# Altium PCB RK_NVR_DEMO1_RK3588_LP4XD200P232SD8_V21_20211228_final_lint.PcbDoc (part 21 of 29)
Units mm, origin at the board's own origin, x right, y up, seen from the top; angles counter-clockwise.
Board outline 170.08 x 169.98 mm, 8 copper layers (TOP, L2-GND1, L3-POWER1, L4-S1, L5-GND2, L6-S2, L7-GND3, BOTTOM), stack 2.118 mm thick; 1650 components, 1119 nets, 6165 pads, 15417 vias.
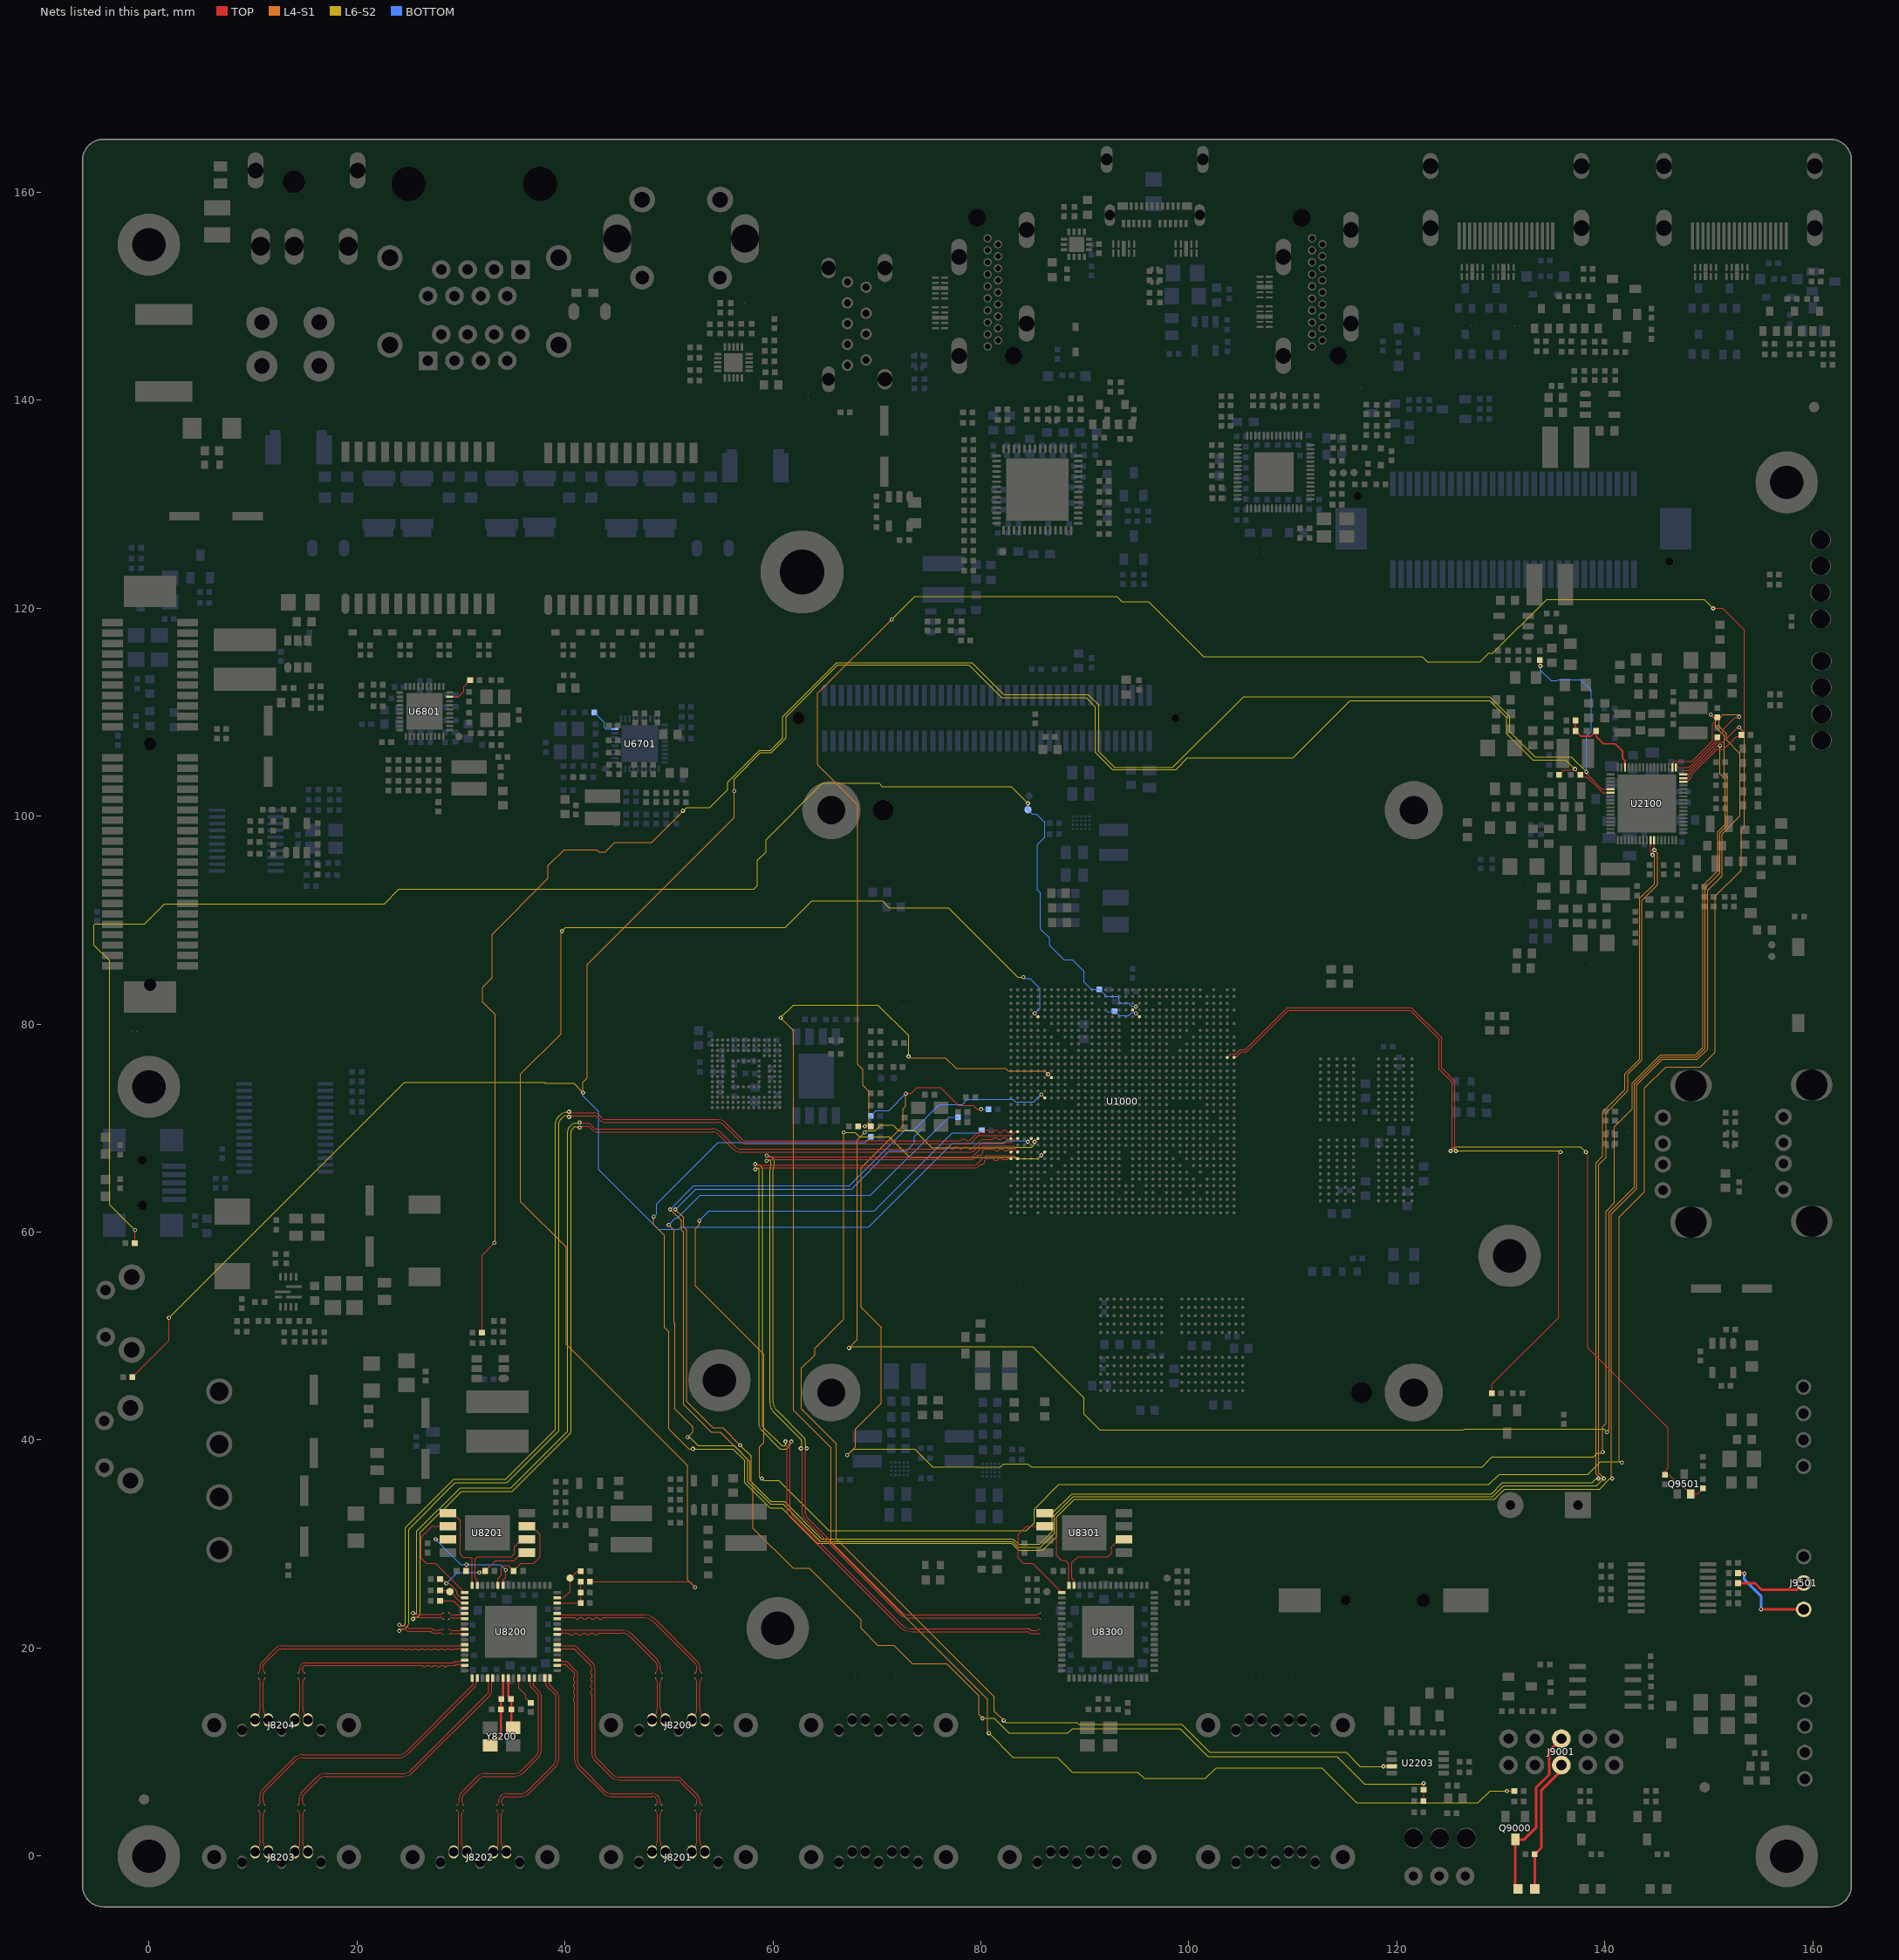
[diagram p27: the nets of this part, all layers, seen from the top]

## Via types
v1: diameter 0.4, hole 0.2, TOP to BOTTOM, 1688 vias
v2: diameter 0.4/0.4 (per signal layer), hole 0.2, TOP to L2-GND1, 1605 vias
v3: diameter 0/0/0/0/0/0/0/0.4 (per signal layer), hole 0.2, TOP to BOTTOM, 1253 vias
v4: diameter 0.4/0/0/0/0/0/0/0 (per signal layer), hole 0.2, TOP to BOTTOM, 1253 vias
v5: diameter 0.5, hole 0.3, TOP to BOTTOM, 857 vias
v6: diameter 0.4/0.4/0.4/0.4/0.4 (per signal layer), hole 0.2, L4-S1 to BOTTOM, 836 vias
v7: diameter 0/0/0/0/0/0/0/0.5 (per signal layer), hole 0.3, TOP to BOTTOM, 772 vias
v8: diameter 0.5/0/0/0/0/0/0/0 (per signal layer), hole 0.3, TOP to BOTTOM, 772 vias
v9: diameter 0.5/0.5 (per signal layer), hole 0.3, TOP to L2-GND1, 766 vias
v10: diameter 0.4/0.4 (per signal layer), hole 0.2, L7-GND3 to BOTTOM, 611 vias
v11: diameter 0.4/0.4/0.4/0.4 (per signal layer), hole 0.2, L5-GND2 to BOTTOM, 579 vias
v12: diameter 0.4 (per signal layer), hole 0.2, L6-S2 to L6-S2, 535 vias
v13: diameter 0.5/0.5/0.5/0.5/0.5 (per signal layer), hole 0.3, L4-S1 to BOTTOM, 457 vias
v14: diameter 0.5/0.5/0.5/0.5 (per signal layer), hole 0.3, L5-GND2 to BOTTOM, 455 vias
v15: diameter 0.4 (per signal layer), hole 0.2, L5-GND2 to L5-GND2, 418 vias
v16: diameter 0.5/0.5/0.5 (per signal layer), hole 0.3, TOP to L3-POWER1, 306 vias
v17: diameter 0.4 (per signal layer), hole 0.2, L4-S1 to L4-S1, 300 vias
v18: diameter 0.4/0.4/0.4 (per signal layer), hole 0.2, TOP to L3-POWER1, 287 vias
v19: diameter 0.5 (per signal layer), hole 0.3, L3-POWER1 to L3-POWER1, 242 vias
v20: diameter 0.5 (per signal layer), hole 0.3, L4-S1 to L4-S1, 240 vias
v21: diameter 0.5/0.5 (per signal layer), hole 0.3, L7-GND3 to BOTTOM, 192 vias
v22: diameter 0.5 (per signal layer), hole 0.3, L6-S2 to L6-S2, 166 vias
v23: diameter 0.4/0.4/0.4/0.4/0.4 (per signal layer), hole 0.2, TOP to L5-GND2, 134 vias
v24: diameter 0.5 (per signal layer), hole 0.3, L5-GND2 to L5-GND2, 114 vias
v25: diameter 0.5/0.5 (per signal layer), hole 0.3, L3-POWER1 to L4-S1, 111 vias
v26: diameter 0.4 (per signal layer), hole 0.2, L3-POWER1 to L3-POWER1, 93 vias
v27: diameter 0.4/0.4 (per signal layer), hole 0.2, L4-S1 to L5-GND2, 59 vias
v28: diameter 0.4/0.4/0/0/0.4/0/0.4/0.4 (per signal layer), hole 0.2, TOP to BOTTOM, 56 vias
v29: diameter 0.4/0/0/0.4/0/0/0/0.4 (per signal layer), hole 0.2, TOP to BOTTOM, 51 vias
v30: diameter 0.5/0.5 (per signal layer), hole 0.3, L4-S1 to L5-GND2, 46 vias
v31: diameter 0.4/0/0/0/0/0.4/0/0.4 (per signal layer), hole 0.2, TOP to BOTTOM, 42 vias
v32: diameter 0.5/0.5/0.5/0.5/0.5 (per signal layer), hole 0.3, TOP to L5-GND2, 32 vias
v33: diameter 0.4/0.4 (per signal layer), hole 0.2, L3-POWER1 to L4-S1, 29 vias
v34: diameter 0.4/0/0.4/0/0/0/0/0.4 (per signal layer), hole 0.2, TOP to BOTTOM, 29 vias
v35: diameter 0.4/0.4/0/0/0.4/0.4/0.4/0.4 (per signal layer), hole 0.2, TOP to BOTTOM, 21 vias
v36: diameter 0.5/0.5/0.5/0/0.5/0.5/0.5/0.5 (per signal layer), hole 0.3, TOP to BOTTOM, 4 vias
v37: diameter 0.5/0.5/0/0.5/0.5/0.5/0.5/0.5 (per signal layer), hole 0.3, TOP to BOTTOM, 3 vias
v38: diameter 0.4/0/0.4/0.4/0/0/0/0.4 (per signal layer), hole 0.2, TOP to BOTTOM, 2 vias
v39: diameter 0.4/0.4/0.4/0/0.4/0/0.4/0.4 (per signal layer), hole 0.2, TOP to BOTTOM, 1 vias

## Nets (pads, with @x,y where several pads share a name; then routed paths per layer and width w, separated by ;. In a path a pad name is that pad's centre, name@x,y a point inside that pad or via, vN(x,y) a via of type N, cw(c..) or ccw(c..) an arc to the next point about the centre after c; other vN are vias at no path point) (continued)
PMIC_EXT_EN_OUT: R2011.1 R2021.1 U2100.39 | length 189.6
  TOP w0.102: R2021.1@32.024,50.327 32.024,57.776 v4(33.215,58.966) ; R2011.1@133.75,115.006 133.75,114.488 v4(133.799,114.44) ; v4(138.227,104.255) 138.227,104.091 139.715,102.603 U2100.39@140.538,102.603
  L4-S1 w0.102: v4(33.215,58.966) 33.316,59.068 33.316,80.912 32.097,82.131 32.097,83.554 33.011,84.468 33.011,88.634 38.396,94.018 38.396,95.238 39.92,96.762 43.07,96.762 43.273,96.558 43.883,96.558 44.797,97.473 48.353,97.473 51.35,100.47 v4(51.35,100.521)
  L6-S2 w0.102: v4(51.35,100.521) 51.401,100.521 51.706,100.826 53.941,100.826 55.668,102.553 55.668,103.247 58.733,106.312 59.749,106.312 60.951,107.514 60.951,109.546 66.15,114.745 79.138,114.745 82.186,111.697 90.314,111.697 91.33,110.681 91.33,106.21 92.854,104.686 98.442,104.686 105.249,111.494 128.922,111.494 130.852,109.563 130.852,108.141 133.291,105.702 136.779,105.702 v4(138.227,104.255)
  BOTTOM w0.102: v4(133.799,114.44) 133.799,114.034 134.815,113.018 135.424,113.018 135.526,113.119 137.659,113.119 138.675,112.103 138.675,108.141 138.227,107.692 v4(138.227,104.255)
  other v3: 33.215,58.966 51.35,100.521 138.227,104.255 133.799,114.44
  other v12: 51.35,100.521 138.227,104.255
  other v17: 33.215,58.966 51.35,100.521
PMIC_INT_L: R2137.2 U1000.M30 U2100.19 | length 201.8
  TOP w0.089: v4(85.165,68.681) U1000.M30@85.491,69.006
  TOP w0.102: U2100.19@146.488,104.703 146.488,105.069 146.677,105.258 148.391,105.258 150.359,107.226 150.359,108.852 150.817,109.309 R2137.2@150.817,109.494 150.428,109.494 150.182,109.741 v4(150.182,109.766)
  L4-S1 w0.102: v4(67.327,48.857) 68.125,49.656 68.125,68.889 v4(68.83,69.593) ; v4(140.199,40.78) 140.403,40.983 140.403,61.913 142.841,64.351 142.841,74.232 145.457,76.848 148.81,76.848 149.648,77.686 149.648,93.104 151.071,94.526 151.071,98.387 151.782,99.098 151.782,103.772 151.477,104.077 151.477,107.734 150.664,108.547 150.664,109.284 v4(150.182,109.766)
  L6-S2 w0.089: 82.09,68.11 83.235,68.11 83.291,68.166 84.883,68.166 85.165,68.448 v4(85.165,68.681)
  L6-S2 w0.102: v4(67.327,48.857) 67.352,48.857 67.505,49.01 84.98,49.01 89.933,44.057 89.933,42.482 91.431,40.983 126.382,40.983 126.483,41.085 139.895,41.085 v4(140.199,40.78) ; v4(68.83,69.593) 68.972,69.736 69.816,69.736 70.375,70.295 71.543,70.295 72.102,69.736 73.651,69.736 75.277,68.11 82.09,68.11
  other v3: 140.199,40.78 67.327,48.857 85.165,68.681 68.83,69.593 150.182,109.766
  other v12: 140.199,40.78 67.327,48.857 85.165,68.681 68.83,69.593
  other v17: 140.199,40.78 67.327,48.857 68.83,69.593 150.182,109.766
PMIC_PWR_CTRL1: R1103.2 U2100.62 | length 215.3
  TOP w0.102: U2100.62@144.738,97.703 144.738,96.761 v4(144.758,96.742)
  L4-S1 w0.102: v4(49.979,60.694) 50.487,60.186 50.487,51.245 50.588,51.143 50.588,43.015 52.315,41.288 52.315,40.78 v4(51.807,40.272) ; v4(139.895,36.31) 139.387,36.818 139.387,66.485 140.098,67.196 140.098,71.463 142.231,73.597 142.231,75.222 143.552,76.543 143.552,91.885 145.076,93.409 145.076,96.423 v4(144.758,96.742)
  L6-S2 w0.102: v4(51.807,40.272) 52.011,40.272 52.824,39.459 56.278,39.459 57.599,38.138 57.599,36.005 59.758,33.846 60.998,33.846 64.58,30.264 83.032,30.264 83.591,29.706 85.742,29.706 87.063,31.026 87.063,32.779 88.866,34.582 129.227,34.582 130.243,35.598 139.183,35.598 v4(139.895,36.31)
  BOTTOM w0.102: v4(49.979,60.694) 50.588,61.303 50.791,61.303 53.027,63.538 69.384,63.538 76.902,71.057 R1103.2@77.799,71.057
  other v3: 139.895,36.31 51.807,40.272 49.979,60.694 144.758,96.742
  other v12: 139.895,36.31 51.807,40.272
  other v17: 139.895,36.31 51.807,40.272 49.979,60.694 144.758,96.742
PMIC_PWR_CTRL2: R1113.2 R1114.1 U2100.61 | length 208.7
  TOP w0.102: U2100.61@144.388,97.703 144.388,97.17 144.405,97.153 144.405,96.45 v4(144.584,96.271)
  L4-S1 w0.102: v4(50.626,62.179) 51.401,61.405 51.401,60.49 51.706,60.186 51.706,43.726 54.246,41.186 55.186,41.186 v4(56.849,39.523) ; v4(139.387,36.31) 139.387,36.513 139.133,36.767 139.133,66.662 139.793,67.322 139.793,71.547 141.927,73.681 141.927,75.222 143.349,76.645 143.349,92.088 144.771,93.51 144.771,96.083 v4(144.584,96.271)
  L6-S2 w0.102: v4(56.849,39.523) 57.903,38.469 57.903,36.005 59.808,34.1 61.104,34.1 64.685,30.518 83.1,30.518 83.608,30.01 85.64,30.01 86.859,31.23 86.859,32.956 88.739,34.836 129.074,34.836 130.141,35.903 138.777,35.903 139.183,36.31 v4(139.387,36.31)
  BOTTOM w0.102: v4(50.626,62.179) 52.595,64.148 67.555,64.148 71.213,67.806 72.839,67.806 73.614,68.581 R1114.1@73.614,69.216 R1113.2@74.375,69.976
  other v3: 139.387,36.31 56.849,39.523 50.626,62.179 144.584,96.271
  other v12: 139.387,36.31 56.849,39.523
  other v17: 139.387,36.31 56.849,39.523 50.626,62.179 144.584,96.271
PMIC_PWR_CTRL3: R1108.2 R1109.2 R1110.1 U2100.16 | length 207.4
  TOP w0.102: v4(72.781,73.317) 72.79,73.309 73.262,73.309 73.855,73.902 76.123,73.902 77.829,72.195 79.269,72.195 79.646,71.819 v4(80.027,71.819) ; U2100.16@147.538,103.653 147.904,103.653 148.099,103.847 148.099,104.052 150.791,106.744 151.045,106.744 v4(151.071,106.769)
  L4-S1 w0.102: v4(67.149,38.545) 67.962,39.358 67.962,41.085 70.4,43.523 70.4,50.838 68.47,52.769 68.47,66.18 72.5,70.21 72.5,71.836 72.781,72.117 v4(72.781,73.317) ; v4(139.793,38.85) 139.793,41.288 140.098,41.593 140.098,62.014 140.911,62.827 140.911,70.142 142.638,71.87 142.638,74.316 145.373,77.051 148.726,77.051 149.445,77.77 149.445,93.307 150.867,94.73 150.867,98.489 151.579,99.2 151.579,103.569 151.071,104.077 v4(151.071,106.769)
  L6-S2 w0.102: v4(67.149,38.545) 67.759,39.154 73.651,39.154 75.379,37.427 81.881,37.427 82.186,37.732 84.523,37.732 84.827,37.427 128.211,37.427 129.15,38.367 138.904,38.367 139.285,38.748 139.691,38.748 v4(139.793,38.85)
  BOTTOM w0.102: R1108.2@69.417,70.168 R1110.1@69.417,71.184 69.925,71.692 71.156,71.692 v4(72.781,73.317) ; v4(80.027,71.819) R1109.2@80.72,71.819
  other v3: 67.149,38.545 139.793,38.85 80.027,71.819 72.781,73.317 151.071,106.769
  other v12: 67.149,38.545 139.793,38.85
  other v17: 67.149,38.545 139.793,38.85 72.781,73.317 151.071,106.769
PMIC_SPI_CLK: R1104.2 U2100.17 | length 232.5
  TOP w0.102: U2100.17@147.538,104.003 147.538,104.28 147.64,104.382 148.124,104.382 150.867,107.125 151.355,107.125 152.292,108.062 152.777,108.547 v4(152.899,108.547)
  L4-S1 w0.102: v4(52.925,61.1) 52.925,60.694 52.569,60.338 52.569,54.81 59.123,48.257 59.123,39.764 58.716,39.358 58.716,36.411 58.818,36.31 v4(58.919,36.31) ; v4(141.622,37.834) 141.52,37.834 141.368,37.986 141.368,61.45 143.806,63.889 143.806,73.846 145.843,75.883 149.191,75.883 150.613,77.305 150.613,92.307 153.103,94.796 153.103,98.692 153.407,98.997 153.407,108.039 v4(152.899,108.547)
  L6-S2 w0.102: v4(58.919,36.31) 59.123,36.106 60.578,36.106 65.378,31.306 84.396,31.306 85.132,32.042 85.132,33.363 87.494,35.725 128.845,35.725 129.836,36.716 138.371,36.716 139.59,37.935 141.52,37.935 v4(141.622,37.834)
  BOTTOM w0.102: v4(52.925,61.1) 53.865,62.04 69.74,62.04 77.233,69.533 79.831,69.533 R1104.2@80.085,69.787
  other v3: 58.919,36.31 141.622,37.834 52.925,61.1 152.899,108.547
  other v12: 58.919,36.31 141.622,37.834
  other v17: 58.919,36.31 141.622,37.834 52.925,61.1 152.899,108.547
PMIC_SPI_CS: R1106.2 R2134.1 U2100.18 | length 237.9
  TOP w0.102: U2100.18@146.838,104.703 148.141,104.703 150.817,107.379 R2134.1@150.817,107.589 151.063,107.836 151.071,107.836 151.375,108.141 151.375,108.344 152.493,109.462 152.798,109.462 v4(152.899,109.563)
  L4-S1 w0.102: v4(48.531,61.481) 48.531,60.719 49.572,59.678 49.572,50.838 49.979,50.432 49.979,41.085 51.909,39.154 v4(52.315,39.154) ; v4(140.707,36.31) 140.631,36.386 140.631,61.756 143.07,64.194 143.07,74.151 145.538,76.619 148.891,76.619 149.877,77.605 149.877,92.864 151.274,94.261 151.274,98.286 153.001,100.013 153.001,106.007 151.68,107.328 151.68,107.938 150.969,108.649 150.969,109.36 151.375,109.766 152.696,109.766 v4(152.899,109.563)
  L6-S2 w0.102: v4(52.315,39.154) 56.176,39.154 57.294,38.037 57.294,35.903 59.732,33.465 60.85,33.465 64.253,30.061 82.948,30.061 83.608,29.401 85.945,29.401 87.266,30.722 87.266,32.601 88.993,34.328 129.379,34.328 130.344,35.294 139.488,35.294 140.504,36.31 v4(140.707,36.31)
  BOTTOM w0.102: v4(48.531,61.481) 48.807,61.757 48.807,62.697 54.728,68.618 68.883,68.618 R1106.2@69.417,69.152
  other v3: 140.707,36.31 52.315,39.154 48.531,61.481 152.899,109.563
  other v12: 140.707,36.31 52.315,39.154
  other v17: 140.707,36.31 52.315,39.154 48.531,61.481 152.899,109.563
PMIC_SPI_MOSI: R1105.2 R1107.2 R2150.1 U2100.15 | length 162.1
  TOP w0.102: R1105.2@68.209,70.168 v4(68.84,70.168) R1107.2@69.417,70.168 ; U2100.15@147.538,103.303 147.904,103.303 148.353,103.751 148.353,104.001 150.766,106.414 151.401,106.414 152.671,107.684 152.983,107.684 R2150.1@153.11,107.811 153.11,107.945 153.407,108.242 153.407,117.894 151.325,119.977 v4(150.41,119.977)
  L4-S1 w0.102: v4(68.84,70.168) 69.232,70.559 69.232,73.562 69.178,73.616 68.673,74.121 68.673,75.629 68.165,76.137 68.165,101.08 64.304,104.94 64.304,111.798 v4(71.416,118.91)
  L6-S2 w0.102: v4(71.416,118.91) 73.651,121.146 93.057,121.146 93.565,120.638 96.105,120.638 101.388,115.354 122.419,115.354 122.927,114.846 128.007,114.846 128.82,115.659 129.227,115.659 134.408,120.841 149.547,120.841 v4(150.41,119.977)
  other v3: 68.84,70.168 71.416,118.91 150.41,119.977
  other v12: 71.416,118.91 150.41,119.977
  other v17: 68.84,70.168 71.416,118.91
PMIC_VDC: C2165.1 R2136.2 R2140.1 U2100.32 | length 8.7
  TOP w0.152: R2136.2@137.189,109.195 R2140.1@137.189,108.192 137.697,107.684 138.643,107.684 C2165.1@139.151,108.192 139.151,107.665 139.869,106.947 140.987,106.947 141.698,106.236 141.698,105.575 141.938,105.335
  TOP w0.203: U2100.32@141.938,104.703 141.938,105.335
POWER_LED+: J9001.5 LED9000.1 R9003.2 | length 13
  TOP w0.254: LED9000.1@133.252,-3.146 R9003.2@133.252,0.171 133.875,0.793 133.875,6.308 135.809,8.242 J9001.5@135.809,8.75
POWER_LED-: J9001.6 LED9000.2 Q9000.3 | length 16.9
  TOP w0.254: LED9000.2@131.652,-3.146 131.377,-2.87 Q9000.3@131.377,1.601 132.237,1.601 133.367,2.731 133.367,6.566 134.637,7.836 134.637,10.118 J9001.6@135.809,11.29
POWER_LED_EN_H_GPIO3_B7: R9006.1 U1000.AA28 | length 162.3
  TOP w0.102: v4(86.466,75.181) U1000.AA28@86.791,74.856 ; v4(130.573,6.261) R9006.1@131.291,6.261
  L4-S1 w0.089: 82.09,75.73 82.389,75.73 82.613,75.506 86.14,75.506 v4(86.466,75.181)
  L4-S1 w0.102: v4(60.748,80.607) 61.993,79.363 61.993,42.884 65.6,39.278 65.6,30.134 80.662,15.071 80.662,11.926 v4(80.763,11.824) ; v4(73.042,76.899) 73.169,76.772 76.572,76.772 77.614,75.73 82.09,75.73
  L6-S2 w0.102: v4(60.748,80.607) 61.967,81.826 70.095,81.826 73.042,78.88 v4(73.042,76.899) ; v4(80.763,11.824) 83.1,9.487 87.367,9.487 88.79,8.065 95.089,8.065 95.699,7.455 101.591,7.455 102.607,8.471 112.767,8.471 116.12,5.118 127.804,5.118 128.947,6.261 v4(130.573,6.261)
  other v3: 130.573,6.261 80.763,11.824 86.466,75.181 73.042,76.899 60.748,80.607
  other v12: 130.573,6.261 80.763,11.824 73.042,76.899 60.748,80.607
  other v17: 80.763,11.824 86.466,75.181 73.042,76.899 60.748,80.607
PWM3_IR_M0: C9000.1 R9001.1 U1000.V29 | length 153.7
  TOP w0.102: v4(85.816,73.231) U1000.V29@86.141,72.906 ; R9001.1@122.562,5.313 122.568,5.319 C9000.1@122.568,6.392 v4(122.568,7.001)
  L4-S1 w0.102: v4(50.118,62.179) 51.198,61.1 51.198,60.186 51.401,59.982 51.401,43.422 54.043,40.78 54.957,40.78 57.802,37.935 57.802,36.106 58.107,35.802 58.107,31.509 61.942,27.674 63.491,27.674 68.47,22.695 68.47,21.882 70.095,20.257 71.619,20.257 73.382,18.494 76.71,18.494 79.813,15.39 79.813,13.587 v4(80.154,13.246)
  L6-S2 w0.102: v4(80.154,13.246) 81.271,13.246 82.694,11.824 88.383,11.824 88.815,12.256 99.163,12.256 101.83,9.589 114.236,9.589 116.878,6.947 122.514,6.947 v4(122.568,7.001)
  BOTTOM w0.089: 82.09,72.759 83.095,72.759 83.329,72.525 85.11,72.525 v4(85.816,73.231)
  BOTTOM w0.102: v4(50.118,62.179) 52.392,64.453 67.361,64.453 72.742,69.833 73.545,69.833 75.988,72.276 78.198,72.276 78.681,72.759 82.09,72.759
  other v3: 122.568,7.001 80.154,13.246 50.118,62.179 85.816,73.231
  other v12: 122.568,7.001 80.154,13.246
  other v17: 80.154,13.246 50.118,62.179
PWM8_M1_BEEP: R7005.1 U1000.AD2 | length 71.3
  TOP w0.102: U1000.AD2@103.691,76.806 104.032,77.147 104.531,77.147 104.94,77.556 105.42,77.556 109.462,81.598 121.382,81.598 124.299,78.681 124.299,75.781 125.569,74.511 125.569,67.907 v4(125.671,67.806) ; R7005.1@129.128,44.504 129.128,45.373 135.526,51.77 135.526,67.501 v4(135.729,67.704)
  L6-S2 w0.102: v4(125.671,67.806) 135.627,67.806 v4(135.729,67.704)
  other v3: 135.729,67.704 125.671,67.806
  other v12: 135.729,67.704 125.671,67.806
PWM9_M1_FAN: Q9501.2 R9902.1 R9904.2 U1000.AD1 | length 86.6
  TOP w0.102: U1000.AD1@104.341,76.806 104.495,76.806 105.042,77.352 105.55,77.352 109.542,81.344 121.276,81.344 124.045,78.575 124.045,75.676 125.315,74.406 125.315,67.958 v4(125.163,67.806) ; v4(138.167,67.704) 138.371,67.501 138.371,48.864 146.092,41.143 146.092,37.326 145.787,37.021 R9904.2@145.787,36.658 146.15,36.658 147.007,35.802 147.291,35.802 Q9501.2@148.266,34.826 148.92,34.826 R9902.1@149.445,35.351
  L6-S2 w0.102: v4(125.163,67.806) 125.569,68.212 137.659,68.212 v4(138.167,67.704)
  other v3: 138.167,67.704 125.163,67.806
  other v12: 138.167,67.704 125.163,67.806
RECOVERY_KEY: C1501.1 R1502.2 R9200.1 TP1500.1 U1000.AL16 | length 158
  TOP w0.102: R9200.1@-1.358,58.931 -1.358,60.157 v4(-1.329,60.186) ; U1000.AL16@94.591,81.356 v4(94.916,81.681)
  L6-S2 w0.102: v4(-1.329,60.186) -3.768,62.624 -3.768,86.094 -5.266,87.592 -5.266,89.548 -5.165,89.65 -0.415,89.65 1.515,91.58 22.648,91.58 24.049,92.981 58.187,92.981 58.513,93.307 58.513,95.746 59.326,96.558 59.326,97.727 64.761,103.162 70.197,103.162 70.502,102.858 82.897,102.858 v4(84.523,101.232)
  BOTTOM w0.089: 89.907,84.081 89.907,84.062 90.619,83.35 R1502.2@91.388,83.35 92.083,82.655 93.143,82.655 93.291,82.507 93.291,82.196 93.481,82.006 93.75,82.006 93.765,82.021 94.209,82.021 94.505,81.725 C1501.1@94.515,81.725 94.872,81.725 v4(94.916,81.681)
  BOTTOM w0.102: v4(84.523,101.232) TP1500.1@84.523,100.622 84.929,100.216 85.335,100.216 86.148,99.403 86.148,97.981 85.437,97.27 85.437,92.901 85.742,92.596 85.742,89.142 86.6,88.284 86.6,87.572 87.977,86.195 88.79,86.195 89.907,85.078 89.907,84.081
  other v3: -1.329,60.186 94.916,81.681 84.523,101.232
  other v12: -1.329,60.186 84.523,101.232
RESET_L: C1100.1 C2166.1 R1102.1 R2138.2 R9201.1 U1000.M31 U2100.40 | length 254.5
  TOP w0.089: v4(84.516,68.681) U1000.M31@84.841,69.006
  TOP w0.102: R9201.1@-1.587,46.054 1.922,49.562 v4(1.922,51.753) ; R2138.2@135.595,103.977 136.05,104.432 136.999,104.432 137.101,104.534 v4(137.126,104.534) 137.151,104.534 137.253,104.432 137.253,104.351 C2166.1@137.627,103.977 137.857,103.747 138.284,103.747 139.777,102.253 U2100.40@140.538,102.253
  L4-S1 w0.102: v4(41.749,73.394) 41.749,74.41 42.155,74.816 42.155,85.743 56.278,99.866 v4(56.278,102.426)
  L6-S2 w0.102: v4(1.922,51.753) 24.579,74.41 37.99,74.41 38.091,74.308 40.835,74.308 v4(41.749,73.394) ; v4(56.278,102.426) 56.278,103.569 58.818,106.109 59.834,106.109 61.256,107.531 61.256,109.563 66.235,114.542 78.833,114.542 81.983,111.392 90.111,111.392 91.025,110.478 91.025,106.109 92.651,104.483 98.747,104.483 99.864,105.601 110.024,105.601 115.511,111.087 128.922,111.087 130.547,109.462 130.547,107.938 133.087,105.398 136.237,105.398 137.101,104.534 v4(137.126,104.534)
  BOTTOM w0.089: 82.09,68.517 82.182,68.517 82.44,68.775 R1102.1@82.795,68.775 C1100.1@83.456,68.775 84.422,68.775 v4(84.516,68.681)
  BOTTOM w0.102: v4(41.749,73.394) 41.749,73.089 43.222,71.616 43.222,66.027 48.988,60.262 50.944,60.262 51.172,60.49 69.206,60.49 77.233,68.517 82.09,68.517
  other v3: 1.922,51.753 84.516,68.681 41.749,73.394 56.278,102.426 137.126,104.534
  other v12: 1.922,51.753 41.749,73.394 56.278,102.426 137.126,104.534
  other v17: 41.749,73.394 56.278,102.426
RS232_RX: ED9502.1 J9501.2 R9512.2 | length 6.8
  TOP w0.254: R9512.2@152.805,26.242 154.432,26.242 155.052,25.623 ED9502.1@155.713,25.623 158.482,25.623 J9501.2@159.118,26.259
RS232_TX: ED9503.1 J9501.3 R9511.2 | length 8.8
  TOP w0.254: R9511.2@152.805,27.207 153.365,27.207 v4(153.407,27.166) ; v4(155.008,23.738) ED9503.1@155.674,23.738 155.693,23.719 J9501.3@159.118,23.719
  BOTTOM w0.254: v4(153.407,27.166) 153.407,26.608 155.008,25.008 v4(155.008,23.738)
  other v3: 155.008,23.738 153.407,27.166
RSET0: R6721.1 U6701.39 | length 2.9
  BOTTOM w0.102: R6721.1@42.829,109.961 43.781,109.009 43.781,108.547 43.956,108.372 U6701.39@44.81,108.372
RSET1: R6821.1 U6801.39 | length 2.9
  TOP w0.102: U6801.39@28.909,111.471 29.763,111.471 30.268,111.976 30.268,112.438 R6821.1@30.889,113.06
RTCIC_INT_L_GPIO0_B2: U1000.K29 U2203.3 | length 126.1
  TOP w0.102: v4(85.815,67.38) U1000.K29@86.14,67.705 ; v4(118.707,8.628) U2203.3@119.504,8.628
  L4-S1 w0.102: v4(66.819,69.593) 66.819,51.617 64.025,48.823 64.025,48.197 62.755,46.927 62.755,42.99 66.108,39.637 66.108,30.493 81.297,15.304 81.297,13.932 v4(82.186,13.043)